# KiCad board st225_20427.kicad_pcb (continued)
## Routing (per net, layer and track width the routed paths; a pad name or vN(x,y) marks a point on that pad's centre or on a via; arc(x,y) is an arc through that point) (continued)
/SCSI/SDB3: length 159.4
  Top w0.254: 11.43,35.18 11.43,45.59 14.22,49.4 14.22,50.55 13.21,51.56 13.21,54.23 13.72,54.74 U5.19 17.91,54.74 v1(19.05,53.59) ; v1(90.3,21.59) 90.93,22.23 U12.3 ; 108.08,45.09 106.81,45.09 v1(106.04,45.85)
  Bottom w0.254: v1(19.05,53.59) 19.94,54.48 21.72,54.48 24.64,57.4 31.88,57.4 34.16,55.12 44.07,55.12 48.13,51.05 52.96,51.05 53.72,50.29 55.12,50.29 55.63,49.78 72.9,49.78 73.66,50.55 99.57,50.55 104.27,45.85 v1(106.04,45.85) 102.87,42.67 102.87,41.66 102.03,40.82 99.75,40.82 88.01,29.08 88.01,23.88 v1(90.3,21.59)
/SCSI/SDB4: length 134.1
  Top w0.254: v1(19.3,46.48) 18.67,45.85 U5.26 16,45.85 14.73,44.58 13.97,44.58 13.21,43.82 13.21,38.61 13.97,37.85 13.97,34.89 12.9,33.82 U7.14 ; v1(96.65,44.58) 97.16,45.09 98.68,45.09 ; v1(84.46,29.97) 84.33,29.84 U12.12
  Bottom w0.254: v1(19.3,46.48) 19.3,48.39 26.03,55.12 30.86,55.12 33.53,52.45 43.43,52.45 47.5,48.39 52.07,48.39 52.71,47.75 53.85,47.75 54.48,47.12 77.34,47.12 78.1,47.88 97.16,47.88 97.92,47.12 97.92,45.85 v1(96.65,44.58) 94.11,42.04 92.71,42.04 91.44,40.77 91.44,36.96 v1(84.46,29.97)
/SCSI/SDB5: length 161.1
  Top w0.254: v1(14.6,53.59) 14.73,53.47 U5.20 ; v1(11.94,52.32) 11.94,51.69 13.72,50.29 13.72,49.53 10.92,45.85 10.92,38.35 10.29,37.72 10.29,32.77 10.51,32.55 11.52,32.55 ; U12.18 84.33,22.23 v1(84.46,22.35) ; v1(100.97,42.04) 100.97,39.75 99.95,38.74 U19.18
  Bottom w0.254: v1(11.94,52.32) 13.21,53.59 v1(14.6,53.59) 15.88,52.32 19.18,52.32 20.7,53.85 21.97,53.85 25.02,56.9 31.5,56.9 33.91,54.48 43.94,54.48 48.01,50.42 52.71,50.42 53.34,49.78 54.86,49.78 55.5,49.15 73.66,49.15 74.42,49.91 98.93,49.91 100.97,47.88 v1(100.97,42.04) 100.2,42.04 87.38,29.21 87.38,25.27 v1(84.46,22.35)
/SCSI/SDB6: length 151.7
  Top w0.254: v1(14.99,46.48) 15.62,47.12 U5.25 ; U12.16 84.33,24.77 v1(84.46,24.89) ; U19.17 97.16,40.01 v1(96.52,40.64) ; U7.16 10.76,31.28 9.78,32.26 9.78,38.23 10.41,38.86 10.41,46.99 v1(10.16,47.24)
  Bottom w0.254: v1(10.16,47.24) 10.29,47.12 14.35,47.12 v1(14.99,46.48) 14.99,47.75 18.41,51.18 19.05,51.18 21.21,53.34 22.23,53.34 25.15,56.26 31.37,56.26 33.78,53.85 43.69,53.85 47.88,49.66 52.58,49.66 53.09,49.15 54.61,49.15 55.24,48.51 74.42,48.51 75.06,49.15 98.42,49.15 99.69,47.88 99.69,43.82 v1(96.52,40.64) 96.52,39.24 86.49,29.21 86.49,26.92 v1(84.46,24.89)
/SCSI/SDB7: length 147.6
  Top w0.254: v1(96.52,42.93) 97.16,42.93 98.04,43.82 U19.14 ; v1(14.6,51.69) 15.11,52.2 U5.21 v1(21.84,52.2) ; U12.14 v1(84.58,27.31) ; v1(11.94,49.53) 10.41,49.53 9.02,48.13 9.02,45.34 9.78,44.58 9.78,39.12 9.27,38.61 9.27,31.62 10.89,30.01 U7.17
  Bottom w0.254: v1(11.94,49.53) 14.1,51.69 v1(14.6,51.69) ; v1(21.84,52.2) 25.27,55.63 31.12,55.63 33.53,53.21 43.56,53.21 47.62,49.15 52.2,49.15 52.83,48.51 54.1,48.51 54.74,47.88 75.69,47.88 76.33,48.51 97.79,48.51 98.81,47.5 98.81,44.32 97.54,43.05 96.65,43.05 v1(96.52,42.93) 95.12,41.53 95.12,39.24 85.6,29.72 85.6,28.32 v1(84.58,27.31)
/SCSI/SDO0: length 21
  Top w0.254: U17.13 104.65,20.45 105.03,20.83 106.17,20.83 v1(106.81,21.46) ; 108.08,37.47 108.46,37.47 109.22,36.7 109.22,33.02 v1(107.95,31.75)
  Bottom w0.254: v1(107.95,31.75) 107.57,31.37 107.57,22.23 v1(106.81,21.46)
/SCSI/SDO1: length 24.3
  Top w0.254: U17.2 104.65,23.11 v1(104.9,22.86) ; v1(106.04,35.69) 106.04,36.7 105.03,37.72 105.03,40.64 105.66,41.28 U19.5
  Bottom w0.254: v1(106.04,35.69) 106.43,35.31 106.43,24.38 v1(104.9,22.86)
/SCSI/SDO2: length 28.1
  Top w0.254: v1(101.09,23.11) 102.11,24.13 U17.4 ; U19.6 105.79,42.55 104.14,40.89 v1(104.14,36.2)
  Bottom w0.254: v1(101.09,23.11) 102.23,24.26 104.01,24.26 105.79,26.04 105.79,33.78 104.14,35.43 v1(104.14,36.2)
/SCSI/SDO3: length 42.7
  Top w0.254: U17.10 100.84,21.08 v1(100.97,21.21) ; v1(108.58,29.97) 109.73,31.12 109.73,37.47 109.22,37.97 109.22,45.72 108.58,46.36 U19.9 107.44,46.36 106.93,46.86 105.16,46.86 103.25,44.96 v1(103.12,44.96)
  Bottom w0.254: v1(100.97,21.21) 102.23,19.94 107.19,19.94 108.58,21.34 v1(108.58,29.97)
/SCSI/SDO4: length 17.3
  Top w0.254: U19.12 99.19,46.36 99.95,45.59 99.95,44.7 100.46,44.2 102.23,44.2 103.63,42.8 103.63,37.85 v1(103.12,37.34) 103,37.21 103,35.56 103.63,34.93 104.01,34.93 104.65,34.29 U18.2
/SCSI/SDO5: length 12
  Top w0.254: v1(100.97,35.69) 100.84,35.69 99.06,37.47 98.68,37.47 ; U18.13 104.65,30.1 v1(104.9,30.35)
  Bottom w0.254: v1(104.9,30.35) 104.9,32 101.22,35.69 v1(100.97,35.69)
/SCSI/SDO6: length 20.5
  Top w0.254: v1(100.46,30.35) 100.84,29.97 U18.10 ; v1(100.33,37.59) 102.36,39.62 102.36,42.42 101.73,43.05 100.33,43.05 99.95,42.67 99.95,41.91 99.31,41.28 U19.16
  Bottom w0.254: v1(100.46,30.35) 100.46,33.02 99.69,33.78 99.69,36.96 v1(100.33,37.59)
/SCSI/SDO7: length 20.8
  Top w0.254: v1(93.47,40.64) 94.62,41.78 97.41,41.78 98.17,42.55 U19.15 98.87,42.55 100.01,43.69 101.85,43.69 103,42.55 103,39.24 101.85,38.1 101.85,36.7 102.11,36.45 U18.4
/SCSI/SEL: length 41
  Top w0.254: v1(45.09,33.27) 44.32,32.51 U6.37 ; U11.16 v1(68.71,24.77) ; v1(54.1,30.48) 55.37,31.75 57.4,31.75 58.17,32.51 60.96,32.51 v1(61.6,31.88)
  Bottom w0.254: v1(45.09,33.27) 45.21,33.27 49.4,29.08 52.71,29.08 v1(54.1,30.48) ; v1(61.6,31.88) 61.47,31.75 61.47,29.21 61.85,28.83 61.85,23.5 62.87,22.48 66.04,22.48 68.33,24.77 v1(68.71,24.77)
/SCSI/SELO: length 52.4
  Top w0.254: U6.36 42.29,31.24 40.64,32.89 v1(40.64,34.54) ; v1(52.83,21.34) 53.21,20.96 U15.9
  Bottom w0.254: v1(52.83,21.34) 54.1,22.61 54.1,24.13 55.5,25.53 60.2,25.53 60.71,26.04 60.71,27.94 58.42,30.23 58.42,31.75 59.44,32.77 59.44,36.2 55.88,39.75 48.13,39.75 46.74,38.35 41.91,38.35 40.64,37.08 v1(40.64,34.54)
/SCSI/SRST: length 124
  Top w0.254: v1(69.98,31.75) 69.34,31.75 67.44,29.84 U11.12 ; v1(38.61,117.73) 37.21,117.73 35.94,119 35.94,120.1 ; v1(65.53,45.72) 65.53,39.62 v1(65.41,39.5) ; v1(54.86,59.82) 54.86,54.86 56.13,53.59 56.13,48.51 55.24,47.62 v1(55.24,45.85) ; v1(40.89,95.38) 42.16,94.11 43.43,94.11 44.7,95.38 55.12,95.38 v1(55.24,95.5)
  Bottom w0.254: v1(55.24,45.85) 55.37,45.72 v1(65.53,45.72) ; v1(54.86,59.82) 55.24,60.2 v1(55.24,95.5) ; v1(40.89,95.38) 40.26,96.01 40.26,114.3 38.61,115.95 v1(38.61,117.73) ; v1(65.41,39.5) 69.98,34.93 v1(69.98,31.75)
/SCSI/~{ACK}: length 42
  Top w0.254: U11.2 74.29,20.96 73.66,20.32 73.66,17.28 RN2.4 ; v1(48.39,6.99) 45.79,9.59 J8.38
  Bottom w0.254: RN2.4 73.65,17.26 71.5,15.11 69.72,15.11 68.96,14.35 65.91,14.35 64.77,13.21 64.77,8.26 63.5,6.99 v1(48.39,6.99)
/SCSI/~{ATNB}: length 80.9
  Top w0.254: v1(30.86,60.71) 29.84,59.69 U5.8 ; v1(66.93,53.34) 66.93,39.88 v1(67.31,39.5) ; v1(74.42,22.86) 75.06,22.23 U11.3
  Bottom w0.254: v1(67.31,39.5) 68.71,38.1 70.48,38.1 76.2,32.39 76.2,24.64 v1(74.42,22.86) ; v1(30.86,60.71) 31.5,60.07 33.02,60.07 35.05,58.04 48.39,58.04 50.93,55.5 55.88,55.5 56.51,54.86 65.41,54.86 v1(66.93,53.34)
/SCSI/~{ATN}: length 30
  Top w0.254: RN2.2 69.85,18.55 69.85,22.86 69.22,23.5 U11.17
  Bottom w0.254: RN2.2 68.57,15.99 67.82,15.24 65.53,15.24 64.9,14.61 55.88,14.61 54.61,13.34 54.61,10.86 J8.32
/SCSI/~{BIE}: length 78.1
  Top w0.254: U12.19 83.31,20.96 v1(84.46,19.81) ; v1(93.73,20.96) 92.46,19.69 U12.1 ; v1(43.18,40.77) 43.18,39.12 41.53,37.47 U6.40
  Bottom w0.254: v1(93.73,20.96) 93.22,20.45 85.09,20.45 v1(84.46,19.81) 82.04,22.23 82.04,31.24 71.75,41.53 63.37,41.53 62.1,40.26 61.09,40.26 59.05,42.29 50.93,42.29 48.9,44.32 46.61,44.32 43.18,40.89 v1(43.18,40.77)
/SCSI/~{BOE}: length 91.7
  Top w0.254: U6.41 40.26,38.23 42.04,40.01 42.04,42.55 44.58,45.09 44.58,46.99 48.01,50.42 48.01,65.15 49.66,66.8 49.66,69.72 49.15,70.23 49.15,80.26 44.32,85.09 v1(42.93,85.09) ; v1(35.31,97.92) 39.62,93.6 v1(40.77,93.6) ; 37.21,115.1 37.21,114.3 35.31,112.4 v1(35.05,112.4)
  Bottom w0.254: v1(42.93,85.09) 41.91,86.11 41.91,92.46 v1(40.77,93.6) ; v1(35.05,112.4) 36.2,111.25 36.2,101.6 36.07,101.47 36.07,98.68 v1(35.31,97.92)
/SCSI/~{BSY}: length 62.2
  Top w0.254: v1(74.42,27.43) 75.82,26.04 76.2,26.04 ; v1(61.09,22.35) 60.45,21.72 60.45,18.67 59.82,18.03 v1(59.82,15.88) 59.44,15.49 51.69,15.49 49.64,13.45 49.64,10.97 J8.36 49.84,8 v1(52.2,8) ; U15.3 57.02,23.62 v1(56.64,23.24)
  Bottom w0.254: v1(61.09,22.35) 60.2,23.24 v1(56.64,23.24) ; v1(59.82,15.88) 67.06,15.88 67.44,16.26 67.44,18.29 68.07,18.92 69.46,18.92 RN2.3 72.9,19.06 72.9,23.5 74.42,25.02 v1(74.42,27.43)
/SCSI/~{C}D: length 68.7
  Top w0.254: U5.6 33.53,56.01 36.2,58.67 v1(36.2,60.58) ; U15.4 55.75,25.53 57.02,26.8 v1(57.28,26.8) ; v1(51.82,56.39) 51.82,53.59 50.55,52.32 50.55,37.72 48.26,35.43 v1(48.26,34.54)
  Bottom w0.254: v1(36.2,60.58) 37.34,59.44 50.67,59.44 51.82,58.29 v1(51.82,56.39) ; v1(48.26,34.54) 48.26,35.94 49.15,36.83 51.94,36.83 57.28,31.5 v1(57.28,26.8)
/SCSI/~{ET}: length 176.7
  Top w0.254: U25.9 128.02,130.94 129.03,129.92 129.03,127.25 127.38,125.6 127.38,124.08 v1(127.13,123.83) ; U6.38 44.07,33.78 v1(45.34,35.05) 47.24,36.96 47.24,42.42 49.4,44.58 49.4,46.1 49.28,46.23 49.28,58.93 51.43,61.09 56.01,61.09 59.31,57.79 v1(68.96,57.79) ; v1(79.5,87.25) 80.01,87.76 91.82,87.76 v1(92.33,88.27)
  Bottom w0.254: v1(127.13,123.83) 124.08,120.78 119.89,120.78 119.51,120.4 117.86,120.4 116.84,119.38 107.06,119.38 106.55,119.89 103.89,119.89 95.38,111.38 95.38,108.59 93.09,106.3 93.09,105.03 88.9,100.84 88.9,98.43 90.17,97.16 90.17,91.57 92.33,89.41 v1(92.33,88.27) ; v1(79.5,87.25) 79.38,87.12 79.38,60.45 76.71,57.79 v1(68.96,57.79)
/SCSI/~{MSG}: length 26.5
  Top w0.254: v1(43.18,7.11) 41.91,7.11 40.63,8.39 J8.42 ; RN3.6 55.75,17.39 U15.11
  Bottom w0.254: v1(43.18,7.11) 44.2,7.11 45.34,8.26 46.61,8.26 46.99,8.64 46.99,12.95 48.64,14.61 53.09,14.61 55.75,17.27 RN3.6
/SCSI/~{MS}: length 51.1
  Top w0.254: U6.32 36.45,26.16 v1(35.56,25.27) ; U7.18 10.32,28.74 9.65,28.07 9.65,26.42 v1(9.4,26.16)
  Bottom w0.254: v1(9.4,26.16) 11.18,24.38 11.18,21.34 12.83,19.69 12.83,17.4 13.46,16.76 18.41,16.76 22.23,20.57 31.24,20.57 32.13,21.46 35.31,21.46 35.94,22.1 35.94,24.89 v1(35.56,25.27)
/SCSI/~{REQ}: length 34.6
  Top w0.254: v1(55.24,26.8) 55.75,27.31 U16.11
  Bottom w0.254: J8.48 34.22,10.8 38.86,10.8 39.37,11.3 39.37,12.95 41.78,15.37 46.35,15.37 RN3.3 51.05,20.08 51.05,23.62 52.32,24.89 53.34,24.89 v1(55.24,26.8)
/SCSI/~{RST}: length 49.7
  Top w0.254: U11.8 75.06,28.58 v1(74.42,29.21) ; v1(45.85,6.99) 43.24,9.59 J8.40
  Bottom w0.254: v1(74.42,29.21) 74.17,29.21 73.03,28.07 73.03,26.8 73.66,26.16 73.66,25.53 72.01,23.88 72.01,21.84 70.48,20.32 61.46,20.32 RN3.7 58.41,17.14 57.02,15.75 55.63,15.75 53.85,13.97 50.67,13.97 49.53,12.83 49.53,8.64 49.15,8.26 47.62,8.26 46.35,6.99 v1(45.85,6.99)
/SCSI/~{SEL}: length 55.9
  Top w0.254: J8.44 38.1,8.9 v1(40.01,6.99) ; v1(72.39,26.04) 74.93,23.5 U11.4 ; U15.8 51.94,18.66 RN3.5
  Bottom w0.254: v1(40.01,6.99) 41.15,6.99 42.42,8.26 44.07,8.26 44.45,8.64 44.45,13.08 45.34,13.97 47.12,13.97 48.39,15.24 51.31,15.24 53.33,17.26 RN3.5 57.14,21.08 69.98,21.08 71.25,22.35 71.25,24.89 v1(72.39,26.04)
/SCSI/~{SRAM_WE}: length 172.4
  Top w0.254: U14.3 34.54,113.92 33.91,113.28 v1(29.34,113.28) ; v1(34.16,26.54) 35.05,27.43 U6.33 ; U7.21 12.48,24.93 13.08,25.53 v1(13.46,25.53)
  Bottom w0.254: v1(34.16,26.54) 34.16,25.27 35.31,24.13 35.31,22.23 35.05,21.97 31.5,21.97 30.61,21.08 21.97,21.08 18.29,17.4 14.1,17.4 13.46,18.03 13.46,19.94 11.94,21.46 11.94,24 v1(13.46,25.53) 14.35,26.42 14.35,28.07 10.67,31.75 10.67,33.15 5.08,38.74 5.08,44.58 6.73,46.23 6.73,48.77 8.51,50.55 8.51,53.72 10.41,55.63 10.41,75.44 8.51,77.34 8.51,112.4 9.91,113.79 23.88,113.79 25.53,112.14 28.19,112.14 v1(29.34,113.28)
AD0: length 151.7
  Top w0.254: U4.7 35.94,105.66 v1(35.18,104.9) ; U6.28 41.53,20.19 38.61,17.27 v1(38.1,17.27) ; v1(40.89,74.68) 40.89,66.42 42.04,65.28 42.04,58.29 36.7,52.96 36.7,48.9 v1(35.18,47.37) 34.93,47.12 U5.43 ; v1(21.97,98.55) 21.97,95.63 23.24,94.36 25.15,94.36 26.16,93.34 26.16,90.42 25.27,89.54 23.49,89.54 21.84,87.88 16.89,87.88 15.62,86.61 15.62,82.42 16.38,81.66 19.56,81.66 21.21,80.01 21.21,77.09 22.86,75.44 v1(22.86,75.18)
  Bottom w0.254: v1(22.86,75.18) 23.75,74.3 40.51,74.3 v1(40.89,74.68) ; v1(21.97,98.55) 21.97,99.82 24,101.85 31.62,101.85 34.67,104.9 v1(35.18,104.9) ; v1(35.18,47.37) 35.18,46.86 38.1,43.94 38.1,39.5 38.73,38.86 38.73,29.34 41.27,26.8 41.27,21.59 38.1,18.42 v1(38.1,17.27)
AD1: length 150.9
  Top w0.254: U6.27 40.26,19.94 38.99,18.67 37.85,18.67 36.45,17.27 v1(36.32,17.27) ; U4.4 35.81,101.85 v1(35.31,102.36) ; v1(24.13,76.58) 23.37,76.58 22.48,77.47 22.48,79.63 19.94,82.17 17.14,82.17 16.89,82.42 U2.4 16.89,84.71 16.13,85.47 16.13,86.36 17.14,87.38 21.97,87.38 23.49,88.9 25.4,88.9 26.67,90.17 26.67,93.98 25.65,95 23.88,95 23.24,95.63 23.24,97.92 v1(23.88,98.55) ; U5.42 34.8,45.85 v1(35.18,45.47) 37.34,47.62 37.34,52.58 42.49,57.73 42.49,76.5 v1(42.29,76.71)
  Bottom w0.254: v1(23.88,98.55) 25.91,100.58 33.53,100.58 v1(35.31,102.36) ; v1(24.13,76.58) 25.91,74.8 38.86,74.8 40.77,76.71 v1(42.29,76.71) ; v1(35.18,45.47) 35.43,45.47 37.46,43.43 37.46,39.12 37.97,38.61 37.97,29.21 40.64,26.54 40.64,21.72 36.32,17.4 v1(36.32,17.27)
AD2: length 154
  Top w0.254: v1(35.18,100.46) 35.31,100.58 U4.3 ; v1(43.56,77.6) 43.56,75.95 42.93,75.31 42.93,57.15 37.85,52.07 37.85,46.23 35.69,44.07 34.42,44.07 33.91,44.58 U5.41 31.88,44.58 v1(30.48,45.97) ; U1.41 23.75,80.65 v1(23.49,80.9) 22.35,80.9 20.7,82.55 U2.7 20.7,85.47 23.37,88.14 25.53,88.14 27.18,89.79 27.18,94.74 26.42,95.5 24.89,95.5 24.51,95.89 24.51,97.28 v1(25.78,98.55) ; U6.26 38.99,19.81 38.48,19.3 37.59,19.3 36.7,18.42 35.56,18.42 34.8,17.65 v1(34.8,17.27)
  Bottom w0.254: v1(23.49,80.9) 23.49,79.76 27.81,75.44 37.97,75.44 40.26,77.72 43.43,77.72 v1(43.56,77.6) ; v1(35.18,100.46) 34.04,99.31 26.54,99.31 v1(25.78,98.55) ; v1(34.8,17.27) 34.8,17.91 35.31,18.42 36.58,18.42 40.18,22.02 40.18,26.11 37.34,28.96 37.34,37.59 36.83,38.1 36.83,43.05 35.81,44.07 32.38,44.07 v1(30.48,45.97)
AD3: length 155.6
  Top w0.254: 43.56,69.6 43.56,74.8 44.7,75.95 v1(44.7,78.87) ; 43.56,69.6 43.56,69.47 ; 43.56,69.6 43.56,56.9 38.48,51.82 38.48,45.97 35.31,42.8 v1(35.18,42.8) 34.67,43.31 U5.40 ; U1.40 25.02,80.52 v1(25.53,81.03) 24.51,82.04 22.35,82.04 21.97,82.42 U2.8 21.97,85.85 22.61,86.49 29.97,86.49 30.86,85.6 33.15,85.6 33.78,86.23 33.78,88.9 34.67,89.79 34.67,92.84 33.02,94.49 33.02,101.35 31.88,102.49 31.88,105.66 30.61,106.93 U4.13 26.54,106.93 25.78,107.7 U3.15 ; v1(33.02,17.27) 33.15,17.27 34.04,18.16 34.35,18.16 35.12,18.92 36.45,18.92 37.72,20.19 U6.25
  Bottom w0.254: v1(35.18,42.8) 36.07,41.91 36.07,37.72 36.45,37.34 36.45,28.96 39.75,25.65 39.75,22.35 36.58,19.18 34.93,19.18 v1(33.02,17.27) ; v1(44.7,78.87) 44.45,79.12 40.51,79.12 37.46,76.07 28.57,76.07 25.53,79.12 v1(25.53,81.03)
AD4: length 169.6
  Top w0.254: U3.16 24.51,106.93 25.78,105.66 U4.14 30.61,105.66 31.37,104.9 31.37,102.24 32.38,101.22 32.38,94.49 33.91,92.96 33.91,90.81 v1(32.64,89.54) ; v1(43.43,80.26) 45.47,80.26 45.97,79.76 45.97,75.69 44.2,73.91 44.2,56.64 38.99,51.44 38.99,45.72 36.58,43.31 36.58,42.29 35.81,41.53 v1(33.15,41.53) 32.88,41.79 U5.39 ; v1(21.97,90.93) U2.13 ; v1(28.7,77.85) 27.81,76.96 26.02,76.96 ; U6.24 36.45,19.69 36.2,19.43 34.8,19.43 34.16,18.8 33.91,18.8 33.4,18.29 32.51,18.29 v1(31.5,17.27)
  Bottom w0.254: v1(21.97,90.93) 21.97,93.47 22.73,94.23 26.16,94.23 30.86,89.54 v1(32.64,89.54) 32.64,88.14 35.56,85.22 35.56,83.06 34.8,82.3 30.73,82.3 28.96,80.52 28.96,78.11 v1(28.7,77.85) 29.97,76.58 36.96,76.58 40.64,80.26 v1(43.43,80.26) ; v1(33.15,41.53) 35.18,39.5 35.18,37.72 35.56,37.34 35.56,29.08 39.24,25.4 39.24,22.48 36.58,19.81 34.04,19.81 v1(31.5,17.27)
AD5: length 166.2
  Top w0.254: v1(38.1,22.99) 36.32,22.99 35.18,21.84 U6.23 ; 26.02,75.69 28.7,75.69 30.73,77.72 v1(30.73,79.12) ; v1(32.51,91.82) 32.51,93.6 31.88,94.23 31.88,100.46 30.48,101.85 U4.17 28.07,101.85 23.24,106.68 U3.17 ; v1(30.73,43.94) 29.84,43.05 U5.38 29.84,41.02 30.73,40.13 35.05,40.13 37.46,42.55 37.46,43.43 39.62,45.59 39.62,51.05 44.7,56.13 44.7,73.53 46.74,75.57 46.74,79.88 45.09,81.53 v1(41.91,81.53) ; U2.14 20.7,91.57 v1(19.94,90.81)
  Bottom w0.254: v1(41.91,81.53) 40.64,81.53 36.32,77.22 32.64,77.22 v1(30.73,79.12) 33.02,81.41 35.18,81.41 36.07,82.3 36.07,85.73 34.29,87.5 34.29,90.04 v1(32.51,91.82) 29.46,91.82 26.16,95.12 22.48,95.12 19.94,92.58 v1(19.94,90.81) ; v1(38.1,22.99) 38.1,25.65 34.93,28.83 34.93,37.21 30.73,41.4 v1(30.73,43.94)
AD6: length 186.6
  Top w0.254: v1(31.24,92.96) 31.37,93.09 31.37,99.82 30.61,100.58 U4.18 28.57,100.58 21.97,107.19 U3.18 ; v1(18.03,90.93) 18.03,91.19 16.89,92.33 U2.17 ; v1(32.51,79.12) 32.51,78.23 28.7,74.42 26.02,74.42 ; U6.21 32.64,19.94 32.13,19.43 31.24,19.43 30.61,18.8 29.08,18.8 28.57,18.29 v1(28.57,17.15) ; v1(28.57,43.94) U5.37 28.57,40.39 29.34,39.62 35.18,39.62 38.1,42.55 38.1,43.18 40.13,45.21 40.13,50.67 45.21,55.75 45.21,72.9 47.37,75.06 47.37,80.14 44.83,82.68 41.02,82.68 v1(40.77,82.93)
  Bottom w0.254: v1(18.03,90.93) 18.03,92.2 21.97,96.14 26.03,96.14 29.21,92.96 v1(31.24,92.96) 32.89,92.96 35.05,90.81 35.05,88.14 36.58,86.61 36.58,81.92 35.05,80.39 33.78,80.39 v1(32.51,79.12) 33.78,77.85 35.43,77.85 40.51,82.93 v1(40.77,82.93) ; v1(28.57,17.15) 28.57,17.78 30.1,19.3 32.26,19.3 33.27,20.32 35.81,20.32 36.96,21.46 36.96,23.88 37.34,24.26 37.34,25.65 34.16,28.83 34.16,37.21 28.57,42.8 v1(28.57,43.94)
AD7: length 207.6
  Top w0.254: v1(16.13,90.93) 15.62,91.44 U2.18 ; v1(20.57,106.43) 20.7,106.55 U3.19 ; 26.02,73.15 28.57,73.15 34.29,78.87 v1(34.29,79.12) ; v1(42.8,44.96) 41.15,46.61 41.15,49.91 46.3,55.07 46.3,70.94 46.99,71.63 48.13,71.63 48.51,72.01 48.51,80.14 44.83,83.82 39.75,83.82 v1(39.5,84.07) ; v1(35.18,106.81) 35.31,106.93 U4.8 ; v1(27.94,45.97) 27.3,45.34 U5.36 ; 24.66,16.89 26.54,16.89 v1(26.8,17.15) 26.8,18.42 27.69,19.3 30.48,19.3 31.37,20.19 U6.20
  Bottom w0.254: 20.45,97.28 20.45,96.27 16.13,91.95 v1(16.13,90.93) ; 20.45,97.28 26.03,97.28 28.57,94.74 32.51,94.74 35.81,91.44 35.81,88.9 37.34,87.38 37.34,84.07 ; 20.45,97.28 20.45,106.3 v1(20.57,106.43) 20.95,106.05 34.42,106.05 v1(35.18,106.81) ; 37.34,84.07 37.34,81.28 35.18,79.12 v1(34.29,79.12) ; 37.34,84.07 v1(39.5,84.07) ; v1(26.8,17.15) 29.59,19.94 32,19.94 33.02,20.96 35.56,20.96 36.45,21.84 36.45,24.51 36.83,24.89 36.83,25.53 33.66,28.7 33.66,36.83 27.3,43.18 27.3,45.34 v1(27.94,45.97) 29.21,47.24 33.15,47.24 34.29,48.39 36.2,48.39 38.99,45.59 42.16,45.59 v1(42.8,44.96)
ALE: length 107.1
  Top w0.254: U6.13 v1(29.08,27.43) ; 26.02,69.34 27.05,69.34 30.73,73.03 v1(31.37,73.03) ; v1(25.02,90.93) 24.51,91.44 U2.11 ; v1(28.57,49.66) 29.46,49.66 30.73,50.93 U5.2 33.66,50.93 34.42,51.69 34.42,53.98 39.62,59.18 39.62,62.87 37.85,64.64 37.85,72.52 v1(37.59,72.77) 36.7,73.66 36.7,80.52 35.05,82.17 30.99,82.17 29.97,83.19 29.97,85.47 29.59,85.85 25.4,85.85 v1(24.89,85.34)
  Bottom w0.254: v1(29.08,27.43) 31.75,30.1 31.75,35.69 24.26,43.18 24.26,47.24 26.67,49.66 v1(28.57,49.66) ; v1(37.59,72.77) 36.58,73.79 32.13,73.79 v1(31.37,73.03) ; v1(24.89,85.34) 24.89,90.81 v1(25.02,90.93)
CLK_2M0: length 107.2
  Top w0.254: U23.5 25.78,112.52 27.18,111.12 32.13,111.12 34.54,108.71 35.69,108.71 37.21,110.24 40.89,110.24 42.42,108.71 v1(47.37,108.71) ; U28.2 104.14,110.74 v1(104.9,109.98) ; 68.33,107.95 v1(54.1,107.95) ; 68.33,107.95 U21.37 ; 68.33,107.95 v1(72.64,107.95) ; v1(84.58,100.46) 85.22,99.82 v1(92.33,99.82)
  Bottom w0.254: v1(104.9,109.98) 103.76,108.84 102.74,108.84 101.47,110.11 100.46,110.11 99.69,109.35 99.69,108.71 96.27,105.28 96.27,104.14 92.33,100.2 v1(92.33,99.82) ; v1(47.37,108.71) 48.77,107.32 49.78,107.32 50.42,107.95 v1(54.1,107.95) ; v1(72.64,107.95) 78.36,107.95 78.61,108.2 81.41,108.2 82.04,108.84 84.71,108.84 85.22,108.33 85.22,105.54 84.58,104.9 v1(84.58,100.46)
CLK_10M0: length 293.5
  Top w0.254: U1.20 14.86,59.41 13.99,58.55 11.3,58.55 6.73,53.98 v1(6.6,53.98) ; U8.16 99.06,123.32 98.17,124.21 v1(94.87,124.21) ; U9.17 96.52,154.69 v1(96.9,154.31) ; U5.14 22.23,58.8 21.46,59.56 16.64,59.56 13.84,56.77 11.81,56.77 9.4,54.36 9.4,52.07 5.33,48.01 v1(5.33,47.12) ; U24.5 v1(25.78,130.18) ; v1(40.26,130.3) 40.89,130.3 44.83,134.24 v1(52.71,134.24)
  Bottom w0.254: v1(5.33,47.12) 5.71,47.5 5.71,50.04 6.48,50.8 6.48,53.85 v1(6.6,53.98) 9.4,56.77 9.4,73.28 7.37,75.31 7.37,112.01 5.84,113.54 5.84,132.21 7.87,134.24 16.38,134.24 17.14,133.48 21.46,133.48 23.37,131.57 24.51,131.57 25.78,130.3 v1(25.78,130.18) 27.18,128.78 30.1,128.78 31.37,130.05 31.37,132.21 31.88,132.72 33.15,132.72 34.29,131.57 36.96,131.57 38.23,130.3 v1(40.26,130.3) ; v1(52.71,134.24) 54.36,132.59 55.37,132.59 56.13,131.83 56.13,130.56 55.5,129.92 55.5,128.78 56.77,127.51 61.98,127.51 62.99,126.49 62.99,124.46 68.33,119.13 70.87,119.13 73.91,122.17 87.38,122.17 90.68,118.87 90.68,118.24 91.95,116.97 92.71,116.97 95.25,119.51 95.25,123.83 v1(94.87,124.21) 93.98,124.21 92.46,125.73 92.46,133.1 91.95,133.6 91.95,152.15 94.49,154.69 96.52,154.69 v1(96.9,154.31)
CS: length 81.4
  Top w0.254: 26.02,66.8 27.43,66.8 29.84,69.22 v1(29.84,69.47) ; U5.33 23.49,40.39 24.89,38.99 33.02,38.99 33.91,38.1 U6.2 33.91,38.35 34.67,39.12 35.94,39.12 38.73,41.91 38.73,42.93 40.64,44.83 40.64,50.29 45.85,55.5 45.85,72.26 46.48,72.9 v1(47.12,72.9)
  Bottom w0.254: v1(47.12,72.9) 43.18,68.96 30.35,68.96 v1(29.84,69.47)
EWC_EN: length 108.2
  Top w0.254: v1(32.64,131.7) 33.4,132.46 U13.13 ; U4.16 29.21,103.12 v1(28.07,104.27) ; v1(22.35,104.27) 20.95,104.27 20.45,103.76 18.67,103.76 18.03,104.39 15.37,104.39 14.73,105.03 11.18,105.03 10.29,105.92 6.22,105.92 6.22,106.81 2.79,106.81 2.79,111.89 5.71,111.89 6.1,112.27 6.1,117.86 6.73,118.49 8.64,118.49 9.27,117.86 9.27,113.92 v1(10.67,112.52)
  Bottom w0.254: v1(28.07,104.27) v1(22.35,104.27) ; v1(10.67,112.52) 11.43,113.28 22.35,113.28 24,111.63 29.21,111.63 30.48,112.9 30.48,114.05 28.32,116.21 28.32,117.35 21.84,123.83 21.84,127.51 22.61,128.27 30.23,128.27 32.64,130.68 v1(32.64,131.7)
HALL_IN: length 206.8
  Top w0.254: 131.15,124.59 131.15,122.98 v2(131.57,122.56) ; v1(93.47,98.55) 92.84,97.92 v1(85.85,97.92) ; v1(101.09,108.71) 101.09,110.36 100.33,111.12 100.33,111.89 ; v1(68.96,115.7) 67.82,115.7 64.52,112.4 U21.34 ; 105.7,57.4 104.14,57.4 v1(103.63,57.91) 101.98,59.56 101.98,71.37 105.13,74.52 106.43,74.52 ; v1(80.14,112.65) 80.14,103 v1(80.26,102.87)
  Bottom w0.254: v1(85.85,97.92) 84.2,97.92 80.26,101.85 v1(80.26,102.87) ; J4.1 121.28,54.1 115.44,59.94 111.51,59.94 109.47,57.91 v1(103.63,57.91) 102.36,59.18 98.68,59.18 96.65,61.21 96.65,77.47 95.5,78.61 95.5,91.44 92.96,93.98 92.96,98.04 v1(93.47,98.55) 93.47,100.46 96.77,103.76 96.77,104.9 100.58,108.71 v1(101.09,108.71) 101.73,108.08 104.9,108.08 106.04,109.22 106.04,114.68 106.93,115.57 108.2,115.57 108.71,115.06 111.76,115.06 113.28,113.54 113.41,113.54 115.95,111 120.9,111 124.21,114.3 130.81,114.3 132.33,115.82 132.33,121.79 v2(131.57,122.56) ; v1(80.14,112.65) 80.14,115.19 78.36,116.97 74.29,116.97 73.03,115.7 v1(68.96,115.7)
ID_DRV: length 81.7
  Top w0.254: v1(74.04,100.46) 73.79,100.46 72.64,101.6 72.14,101.6 70.23,103.51 55.24,103.51 54.23,102.49 48.01,102.49 47.24,103.25 U20.3 ; v1(85.85,96.14) 93.73,96.14 97.18,99.59 R73.1 ; 51.18,110.58 51.18,111 50.42,111.76 49.28,111.76 48.51,111 48.51,110.11 49.15,109.47 49.91,109.47 50.67,108.71 50.67,107.44 50.04,106.81 48.01,106.81 47.24,106.05 47.24,106.17 46.74,106.68 44.2,106.68 43.82,106.3 43.82,104.14 42.8,103.12 U4.5
  Bottom w0.254: v1(85.85,96.14) 84.33,96.14 80.01,100.46 v1(74.04,100.46)
INDEX_Q: length 147.6
  Top w0.254: U21.41 73.28,114.3 74.55,113.03 v1(76.58,113.03) ; v1(23.62,72.64) 20.07,72.64 19.3,71.88 U1.11 ; v1(35.94,72.52) 35.94,64.77 v1(32.38,61.21) 31.62,61.98 26.54,61.98 25.78,61.21 25.78,59.69 26.03,59.44 U5.11
  Bottom w0.254: v1(35.94,72.52) 35.43,72.52 35.05,72.9 32.89,72.9 31.75,71.76 24.51,71.76 v1(23.62,72.64) ; v1(32.38,61.21) 32.77,61.59 50.8,61.59 54.23,58.17 55.12,58.17 55.88,58.93 55.88,93.73 58.29,96.14 58.29,98.81 67.44,107.95 67.44,110.87 70.1,113.54 75.56,113.54 76.07,113.03 v1(76.58,113.03)
NRZ: length 182.4
  Top w0.254: v1(21.08,38.23) 20.95,38.35 U5.31 ; 97.79,128.4 v1(98.04,128.4) 97.66,128.4 96.52,129.54 U8.2 ; v1(89.79,57.79) 90.17,57.4 v1(90.17,45.21)
  Bottom w0.254: v1(98.04,128.4) 98.55,127.89 98.55,118.11 93.09,112.65 93.09,109.98 87.63,104.52 87.63,97.54 89.03,96.14 89.03,90.55 90.55,89.03 90.55,84.84 90.81,84.58 90.81,58.8 v1(89.79,57.79) ; v1(90.17,45.21) 89.41,45.97 82.42,45.97 80.52,44.07 51.94,44.07 49.53,46.48 46.86,46.48 42.67,50.67 32.77,50.67 29.97,53.47 26.67,53.47 21.59,48.39 21.59,40.77 21.08,40.26 v1(21.08,38.23)
P1.2: length 112.9
  Top w0.254: U1.4 14.86,76.58 v1(14.73,76.45) ; v1(62.36,115.57) 59.05,115.57 57.79,116.84 U21.25
  Bottom w0.254: v1(14.73,76.45) 14.73,72.26 12.83,70.36 12.83,65.28 13.97,64.14 23.37,64.14 25.4,66.17 49.4,66.17 49.91,66.68 49.91,97.03 62.36,109.47 v1(62.36,115.57)
P1.3: length 118.7
  Top w0.254: U1.5 13.59,75.06 v1(13.53,74.99) ; U21.24 57.79,118.11 59.56,116.33 60.96,116.33 61.98,117.35 v1(61.98,117.6)
  Bottom w0.254: v1(13.53,74.99) 13.97,74.55 13.97,72.64 12.19,70.87 12.19,64.77 13.46,63.5 23.49,63.5 25.53,65.53 49.78,65.53 50.55,66.29 50.55,96.77 63.5,109.73 63.5,116.08 v1(61.98,117.6)
